# Allegro board SDHCalFEB.brd (continued)
## Routing (per net, layer and track width the routed paths; a pad name or vN(x,y) marks a point on that pad's centre or on a via; arc(x,y) is an arc through that point) (continued)
GEM_OUT_D12: length 3.8
  TOP w0.127: R1448.2 R262.1 42.2,322.79 v2(42.2,323.67)
  GND1 w0.127: v3(42.2,322.94) v2(42.2,323.67)
  GND3 w0.127: v4(42.2,322.2) v3(42.2,322.94)
GEM_OUT_D15: length 4
  TOP w0.127: R1460.2 R265.1 40.73,312.21 v2(40.73,312.2)
  GND1 w0.127: v3(41.46,312.2) v2(40.73,312.2)
  GND3 w0.127: v4(42.2,312.2) v3(41.46,312.2)
GEM_OUT_D18: length 26.8
  TOP w0.127: R268.1 v2(32.89,323.39) R1456.2
  GND1 w0.127: v2(32.89,323.39) v3(32.89,322.66)
  SIG3 w0.127: v3(52.2,312.94) 42.61,312.94 v3(32.89,322.66)
  GND3 w0.127: v4(52.2,312.2) v3(52.2,312.94)
GEM_OUT_D21: length 39.8
  TOP w0.127: R271.1 v2(30.3,324.54) R1454.2
  GND1 w0.127: v2(30.3,324.54) v3(30.3,323.8)
  SIG3 w0.127: v3(30.3,323.8) 45.54,323.8 56.41,312.93 v3(62.12,312.93)
  GND3 w0.127: v4(62.2,312.2) 62.2,312.6 62.15,312.65 62.15,312.9 v3(62.12,312.93)
GEM_OUT_D22: length 55.4
  TOP w0.127: R1424.2 v2(24.77,323.06) R272.1
  GND1 w0.127: v2(24.77,323.06) v3(24.77,322.33)
  SIG3 w0.127: v3(72.2,311.46) 35.63,311.46 v3(24.77,322.33)
  GND3 w0.127: v4(72.2,312.2) v3(72.2,311.46)
GEM_OUT_D23: length 4
  TOP w0.127: R273.1 82.19,313.69 v2(82.2,313.67) 82.64,313.67 82.65,313.66 R1421.2
  GND1 w0.127: v3(82.2,312.94) v2(82.2,313.67)
  GND3 w0.127: v4(82.2,312.2) v3(82.2,312.94)
GEM_OUT_D24: length 3.9
  TOP w0.127: R1420.2 90.73,312.65 90.73,312.64 v2(90.73,312.2) 90.72,312.19 R274.1
  GND1 w0.127: v3(91.46,312.2) v2(90.73,312.2)
  GND3 w0.127: v4(92.2,312.2) v3(91.46,312.2)
GEM_OUT_D25: length 1.5
  TOP w0.127: R1643.1 21.94,321.81 R275.1
GEM_OUT_D26: length 21.1
  TOP w0.127: R1484.2 v2(24.71,306.2) R276.1
  GND1 w0.127: v3(25.45,306.2) v2(24.71,306.2)
  SIG3 w0.127: v3(41.46,302.2) 29.45,302.2 v3(25.45,306.2)
  GND3 w0.127: v4(42.2,302.2) v3(41.46,302.2)
GEM_OUT_D27: length 32.2
  TOP w0.127: R277.1 v2(94.69,315.38) 95.14,315.38 95.15,315.37 R1472.2
  GND1 w0.127: v3(94.69,314.65) v2(94.69,315.38)
  SIG3 w0.127: v3(71.46,302.2) 72.48,302.2 76.89,306.6 87.15,306.6 94.69,314.15 v3(94.69,314.65)
  GND3 w0.127: v4(72.2,302.2) v3(71.46,302.2)
GEM_OUT_D28: length 3.9
  TOP w0.127: R1468.2 82.65,300.74 82.64,300.73 v2(82.2,300.73) 82.19,300.73 R278.1
  GND1 w0.127: v3(82.2,301.46) v2(82.2,300.73)
  GND3 w0.127: v4(82.2,302.2) v3(82.2,301.46)
GEM_OUT_D29: length 3.9
  TOP w0.127: R1464.2 92.65,300.74 92.64,300.73 v2(92.2,300.73) 92.2,300.73 R279.1
  GND1 w0.127: v3(92.2,301.46) v2(92.2,300.73)
  GND3 w0.127: v4(92.2,302.2) v3(92.2,301.46)
GEM_OUT_D31: length 30.1
  TOP w0.127: R1480.2 v2(25.48,298.83) R281.1
  GND1 w0.127: v2(25.48,298.83) v3(26.21,298.83)
  SIG3 w0.127: v3(26.21,298.83) 39.85,298.83 43.22,302.2 v3(51.46,302.2)
  GND3 w0.127: v4(52.2,302.2) v3(51.46,302.2)
GEM_OUT_D34: length 20.4
  TOP w0.127: R1508.2 25.47,296.24 v2(25.48,296.24) R284.1
  GND1 w0.127: v3(26.21,296.24) v2(25.48,296.24)
  SIG3 w0.127: v3(41.46,292.2) 30.25,292.2 v3(26.21,296.24)
  GND3 w0.127: v4(42.2,292.2) v3(41.46,292.2)
GEM_OUT_D36: length 40.4
  TOP w0.127: R1504.2 20.77,276.25 v2(20.78,276.25) R286.1
  GND1 w0.127: v3(20.78,276.99) v2(20.78,276.25)
  SIG3 w0.127: v3(20.78,276.99) 34.82,291.03 50.3,291.03 v3(51.46,292.2)
  GND3 w0.127: v4(52.2,292.2) v3(51.46,292.2)
GEM_OUT_D37: length 3.5
  TOP w0.127: R287.1 92.2,294.12 92.2,294.12 v2(92.2,293.67) 92.2,292.69 R1488.2
  GND1 w0.127: v3(92.2,292.94) v2(92.2,293.67)
  GND3 w0.127: v4(92.2,292.2) v3(92.2,292.94)
GEM_OUT_D38: length 3.5
  TOP w0.127: R288.1 82.19,293.68 v2(82.2,293.67) 82.19,293.66 R1492.2
  GND1 w0.127: v3(82.2,292.94) v2(82.2,293.67)
  GND3 w0.127: v4(82.2,292.2) v3(82.2,292.94)
GEM_OUT_D39: length 18
  TOP w0.127: R1496.2 85.67,291.96 85.67,291.96 v2(85.67,292.4) R289.1
  GND1 w0.127: v3(84.94,292.4) v2(85.67,292.4)
  SIG3 w0.127: v3(71.46,292.2) 72,291.67 84.2,291.67 v3(84.94,292.4)
  GND3 w0.127: v4(72.2,292.2) v3(71.46,292.2)
GEM_OUT_D40: length 47.9
  TOP w0.127: R1500.2 23.54,276.45 v2(23.55,276.45) R290.1
  GND1 w0.127: v2(23.55,276.45) v3(23.55,277.19)
  SIG3 w0.127: v3(62.2,291.46) 60.5,289.76 36.12,289.76 v3(23.55,277.19)
  GND3 w0.127: v4(62.2,292.2) v3(62.2,291.46)
GEM_OUT_D42: length 28.1
  TOP w0.127: R1528.2 29.56,274.9 v2(29.57,274.9) R292.1
  GND1 w0.127: v3(29.57,275.64) v2(29.57,274.9)
  SIG3 w0.127: v3(29.57,275.64) 36.12,282.2 v3(51.46,282.2)
  GND3 w0.127: v4(52.2,282.2) v3(51.46,282.2)
GEM_OUT_D45: length 35.4
  TOP w0.127: R1524.2 32.28,275.99 v2(32.28,276) R295.1
  GND1 w0.127: v3(32.28,276.73) v2(32.28,276)
  SIG3 w0.127: v3(32.28,276.73) 57.56,276.73 v3(62.2,281.38)
  GND3 w0.127: v4(62.2,282.2) v3(62.2,281.38)
GEM_OUT_D47: length 3.4
  TOP w0.127: R1512.2 92.22,283.66 v2(92.2,283.67) 92.2,283.68 R297.1
  GND1 w0.127: v3(92.2,282.94) v2(92.2,283.67)
  GND3 w0.127: v4(92.2,282.2) v3(92.2,282.94)
GEM_OUT_D48: length 3.4
  TOP w0.127: R298.1 83.68,282.19 v2(83.67,282.2) 83.67,282.2 R1516.2
  GND1 w0.127: v3(82.94,282.2) v2(83.67,282.2)
  GND3 w0.127: v4(82.2,282.2) v3(82.94,282.2)
GEM_OUT_D49: length 7.2
  TOP w0.127: R299.1 77.84,282.2 v2(76.89,282.2) 76.89,281.25 76.88,281.25 R1520.2
  GND1 w0.127: v3(76.15,282.2) v2(76.89,282.2)
  SIG3 w0.127: v3(76.15,282.2) v3(72.94,282.2)
  GND3 w0.127: v4(72.2,282.2) v3(72.94,282.2)
GEM_OUT_D50: length 3.5
  TOP w0.127: R1532.2 42.21,280.73 v2(42.2,280.73) 42.19,280.72 R300.1
  GND1 w0.127: v3(42.2,281.46) v2(42.2,280.73)
  GND3 w0.127: v4(42.2,282.2) v3(42.2,281.46)
GEM_OUT_D53: length 3.4
  TOP w0.127: R1556.2 42.2,271.68 v2(42.2,270.73) 42.2,269.73 R303.1
  GND1 w0.127: v3(42.2,271.46) v2(42.2,270.73)
  GND3 w0.127: v4(42.2,272.2) v3(42.2,271.46)
GEM_OUT_D54: length 3.5
  TOP w0.127: R1580.2 41.66,262.2 v2(40.73,262.2) 40.28,262.2 40.28,262.2 R304.1
  GND1 w0.127: v3(41.46,262.2) v2(40.73,262.2)
  GND3 w0.127: v4(42.2,262.2) v3(41.46,262.2)
GEM_OUT_D55: length 3.5
  TOP w0.127: R305.1 50.72,262.2 v2(50.73,262.2) 50.74,262.21 R1576.2
  GND1 w0.127: v3(51.46,262.2) v2(50.73,262.2)
  GND3 w0.127: v4(52.2,262.2) v3(51.46,262.2)
GEM_OUT_D56: length 4
  TOP w0.127: R1552.2 52.21,271.2 R306.1 50.72,272.2 v2(50.73,272.2)
  GND1 w0.127: v3(51.46,272.2) v2(50.73,272.2)
  GND3 w0.127: v4(52.2,272.2) v3(51.46,272.2)
GEM_OUT_D57: length 3.5
  TOP w0.127: R307.1 60.72,262.2 v2(60.73,262.2) 60.74,262.21 R1572.2
  GND1 w0.127: v3(61.46,262.2) v2(60.73,262.2)
  GND3 w0.127: v4(62.2,262.2) v3(61.46,262.2)
GEM_OUT_D58: length 3.5
  TOP w0.127: R308.1 70.72,262.2 v2(70.73,262.2) 70.74,262.21 R1568.2
  GND1 w0.127: v3(71.46,262.2) v2(70.73,262.2)
  GND3 w0.127: v4(72.2,262.2) v3(71.46,262.2)
GEM_OUT_D59: length 3.5
  TOP w0.127: R1564.2 80.74,262.21 v2(80.73,262.2) 80.28,262.2 80.28,262.2 R309.1
  GND1 w0.127: v3(81.46,262.2) v2(80.73,262.2)
  GND3 w0.127: v4(82.2,262.2) v3(81.46,262.2)
GEM_OUT_D60: length 3.5
  TOP w0.127: R1560.2 v2(90.73,262.2) 90.72,262.2 R310.1
  GND1 w0.127: v3(91.46,262.2) v2(90.73,262.2)
  GND3 w0.127: v4(92.2,262.2) v3(91.46,262.2)
GEM_OUT_D61: length 3.9
  TOP w0.127: R311.1 92.2,269.72 v2(92.2,270.73) 93.66,270.73 R1536.2
  GND1 w0.127: v3(92.2,271.46) v2(92.2,270.73)
  GND3 w0.127: v4(92.2,272.2) v3(92.2,271.46)
GEM_OUT_D62: length 4
  TOP w0.127: v2(82.2,270.73) 82.19,270.72 R312.1 83.69,269.72 R1540.2
  GND1 w0.127: v3(82.2,271.46) v2(82.2,270.73)
  GND3 w0.127: v4(82.2,272.2) v3(82.2,271.46)
GEM_OUT_D63: length 3.5
  TOP w0.127: R313.1 72.19,270.71 v2(72.2,270.73) 72.18,270.75 R1544.2
  GND1 w0.127: v3(72.2,271.46) v2(72.2,270.73)
  GND3 w0.127: v4(72.2,272.2) v3(72.2,271.46)
GEM_OUT_D64: length 3.4
  TOP w0.127: R314.1 60.74,272.21 v2(60.73,272.2) 60.05,272.87 60.05,272.89
  GND1 w0.127: v3(61.46,272.2) v2(60.73,272.2)
  GND3 w0.127: v4(62.2,272.2) v3(61.46,272.2)
GEM_OUT_E1: length 4.8
  TOP w0.127: R334.1 332.2,238.38 v2(332.2,240.73) 332.2,241.67 R1666.2
  GND1 w0.127: v3(332.2,241.46) v2(332.2,240.73)
  GND3 w0.127: v4(332.2,242.2) v3(332.2,241.46)
GEM_OUT_E2: length 3.5
  TOP w0.127: R1648.2 332.2,253.67 v2(332.2,253.67) 332.21,253.68 R335.1
  GND1 w0.127: v3(332.2,252.94) v2(332.2,253.67)
  GND3 w0.127: v4(332.2,252.2) v3(332.2,252.94)
GEM_OUT_E3: length 3.5
  TOP w0.127: R1668.2 322.19,243.66 v2(322.2,243.67) R336.1
  GND1 w0.127: v3(322.2,242.94) v2(322.2,243.67)
  GND3 w0.127: v4(322.2,242.2) v3(322.2,242.94)
GEM_OUT_E4: length 1.5
  TOP w0.127: R1904.1 R337.1
GEM_OUT_E5: length 3.5
  TOP w0.127: R338.1 312.19,243.68 v2(312.2,243.67) 312.21,243.67 R1700.2
  GND1 w0.127: v3(312.2,242.94) v2(312.2,243.67)
  GND3 w0.127: v4(312.2,242.2) v3(312.2,242.94)
GEM_OUT_E6: length 3.9
  TOP w0.127: R339.1 310.71,252.19 v2(310.73,252.2) 310.73,252.64 310.73,252.65 R1652.2
  GND1 w0.127: v3(311.46,252.2) v2(310.73,252.2)
  GND3 w0.127: v4(312.2,252.2) v3(311.46,252.2)
GEM_OUT_E7: length 3.5
  TOP w0.127: R1702.2 302.19,243.67 v2(302.2,243.67) 302.21,243.68 R340.1
  GND1 w0.127: v3(302.2,242.94) v2(302.2,243.67)
  GND3 w0.127: v4(302.2,242.2) v3(302.2,242.94)
GEM_OUT_E8: length 4
  TOP w0.127: R1654.2 300.73,252.64 v2(300.73,252.2) 300.71,252.21 R341.1
  GND1 w0.127: v3(301.46,252.2) v2(300.73,252.2)
  GND3 w0.127: v4(302.2,252.2) v3(301.46,252.2)
GEM_OUT_E9: length 3.5
  TOP w0.127: R1675.2 292.2,242.7 v2(292.2,243.67) 292.2,243.67 R342.1
  GND1 w0.127: v3(292.2,242.94) v2(292.2,243.67)
  GND3 w0.127: v4(292.2,242.2) v3(292.2,242.94)
GEM_OUT_E10: length 3.4
  TOP w0.127: R343.1 292.22,253.69 v2(292.2,253.67) 292.19,253.67 R1657.2
  GND1 w0.127: v3(292.2,252.94) v2(292.2,253.67)
  GND3 w0.127: v4(292.2,252.2) v3(292.2,252.94)
GEM_OUT_E11: length 3.5
  TOP w0.127: R344.1 282.2,253.68 v2(282.2,253.67) 282.2,252.69 R1711.2
  GND1 w0.127: v3(282.2,252.94) v2(282.2,253.67)
  GND3 w0.127: v4(282.2,252.2) v3(282.2,252.94)
GEM_OUT_E12: length 4
  TOP w0.127: R345.1 282.95,242.95 v2(282.94,242.94) 282.94,243.38 282.93,243.38 R1678.2
  GND1 w0.127: v3(282.2,242.94) v2(282.94,242.94)
  GND3 w0.127: v4(282.2,242.2) v3(282.2,242.94)
GEM_OUT_E13: length 4
  TOP w0.127: R1696.2 273.69,252.67 273.67,252.64 v2(273.67,252.2) 274.69,252.2 R346.1
  GND1 w0.127: v3(272.94,252.2) v2(273.67,252.2)
  GND3 w0.127: v4(272.2,252.2) v3(272.94,252.2)
GEM_OUT_E14: length 3.5
  TOP w0.127: R1697.2 262.21,250.74 v2(262.2,250.73) 262.21,250.71 R347.1
  GND1 w0.127: v3(262.2,251.46) v2(262.2,250.73)
  GND3 w0.127: v4(262.2,252.2) v3(262.2,251.46)
GEM_OUT_E15: length 4
  TOP w0.127: R1729.2 282.68,232.82 282.67,232.8 R348.1 283.67,232.21 v2(283.67,232.2)
  GND1 w0.127: v3(282.94,232.2) v2(283.67,232.2)
  GND3 w0.127: v4(282.2,232.2) v3(282.94,232.2)
GEM_OUT_E16: length 3.5
  TOP w0.127: R349.1 273.68,242.21 v2(273.67,242.2) 273.67,242.19 R1680.2
  GND1 w0.127: v3(272.94,242.2) v2(273.67,242.2)
  GND3 w0.127: v4(272.2,242.2) v3(272.94,242.2)
GEM_OUT_E17: length 3.5
  TOP w0.127: R1682.2 262.68,242.2 v2(263.67,242.2) 264.66,242.2 R350.1
  GND1 w0.127: v2(263.67,242.2) v3(262.94,242.2)
  GND3 w0.127: v4(262.2,242.2) v3(262.94,242.2)
GEM_OUT_E18: length 39.1
  TOP w0.127: R1725.2 257.59,239.5 v2(258.55,239.5) R351.1
  GND1 w0.127: v2(258.55,239.5) v3(259.28,239.5)
  SIG3 w0.127: v3(292.2,233.09) 285.8,239.5 v3(259.28,239.5)
  GND3 w0.127: v4(292.2,232.2) v3(292.2,233.09)
GEM_OUT_E19: length 3.5
  TOP w0.127: R1733.2 273.68,232.19 v2(273.67,232.2) 273.23,232.2 273.22,232.21 R352.1
  GND1 w0.127: v3(272.94,232.2) v2(273.67,232.2)
  GND3 w0.127: v4(272.2,232.2) v3(272.94,232.2)
GEM_OUT_E20: length 3.5
  TOP w0.127: R1737.2 261.21,233.67 v2(262.2,233.67) 262.21,233.68 R353.1
  GND1 w0.127: v3(262.2,232.94) v2(262.2,233.67)
  GND3 w0.127: v4(262.2,232.2) v3(262.2,232.94)
GEM_OUT_E21: length 46.7
  TOP w0.127: R1721.2 258.68,231.44 v2(259.69,231.44) R354.1
  GND1 w0.127: v3(258.95,231.44) v2(259.69,231.44)
  SIG3 w0.127: v3(302.2,231.44) 302.19,231.44 v3(258.95,231.44)
  GND3 w0.127: v4(302.2,232.2) v3(302.2,231.44)
GEM_OUT_E22: length 10
  TOP w0.127: R1690.2 319.26,232.22 v2(320.24,232.22) R355.1
  GND1 w0.127: v2(320.24,232.22) v3(319.51,232.22)
  SIG3 w0.127: v3(312.94,232.2) 313.48,232.2 313.5,232.22 v3(319.51,232.22)
  GND3 w0.127: v4(312.2,232.2) v3(312.94,232.2)
GEM_OUT_E23: length 4.3
  TOP w0.127: v2(322.2,230.73) 323.52,230.73 R356.1 323.53,232.22 R1688.2
  GND1 w0.127: v3(322.2,231.46) v2(322.2,230.73)
  GND3 w0.127: v4(322.2,232.2) v3(322.2,231.46)
GEM_OUT_E24: length 3.5
  TOP w0.127: R1685.2 333.67,233.19 v2(333.67,232.2) 333.68,232.19 R357.1
  GND1 w0.127: v3(332.94,232.2) v2(333.67,232.2)
  GND3 w0.127: v4(332.2,232.2) v3(332.94,232.2)
GEM_OUT_E25: length 23
  TOP w0.127: R1757.2 272.33,224.81 v2(272.31,224.8) R358.1
  GND1 w0.127: v2(272.31,224.8) v3(272.83,224.28)
  SIG3 w0.127: v3(272.83,224.28) 280.01,224.28 282.09,222.2 v3(291.46,222.2)
  GND3 w0.127: v4(292.2,222.2) v3(291.46,222.2)
GEM_OUT_E26: length 11.6
  TOP w0.127: v2(273.95,220.27) R359.1 273.08,221.31 273.07,221.3 R1761.2
  GND1 w0.127: v2(273.95,220.27) v3(274.68,220.27)
  SIG3 w0.127: v3(274.68,220.27) 280.27,220.27 v3(281.68,221.68)
  GND3 w0.127: v4(282.2,222.2) v3(281.68,221.68)
GEM_OUT_E27: length 16.7
  TOP w0.127: R1749.2 324.62,225.68 v2(323.13,225.68) R360.1
  GND1 w0.127: v2(323.13,225.68) v3(323.13,224.94)
  SIG3 w0.127: v3(311.68,221.68) 312.36,221.68 314.05,223.37 321.56,223.37 v3(323.13,224.94)
  GND3 w0.127: v4(312.2,222.2) v3(311.68,221.68)
GEM_OUT_E28: length 3.5
  TOP w0.127: R361.1 323.94,222.94 v2(322.94,222.94) 322.93,222.94 R1745.2
  GND1 w0.127: v3(322.94,222.2) v2(322.94,222.94)
  GND3 w0.127: v4(322.2,222.2) v3(322.94,222.2)
GEM_OUT_E29: length 4
  TOP w0.127: R362.1 330.72,222.19 v2(330.73,222.2) 330.73,223.68 R1741.2
  GND1 w0.127: v3(331.46,222.2) v2(330.73,222.2)
  GND3 w0.127: v4(332.2,222.2) v3(331.46,222.2)
GEM_OUT_E30: length 3.4
  TOP w0.127: R1765.2 270.7,222.21 v2(270.69,222.2) 270.69,221.24 R363.1
  GND1 w0.127: v3(271.42,222.2) v2(270.69,222.2)
  GND3 w0.127: v3(271.42,222.2) v4(272.16,222.2)
GEM_OUT_E31: length 43.3
  TOP w0.127: R1753.2 261.95,225.94 261.96,225.92 R364.1 v2(263.55,225.92)
  GND1 w0.127: v2(263.55,225.92) v3(264.29,225.92)
  SIG3 w0.127: v3(264.29,225.92) 279.92,225.92 283.13,222.71 289.56,222.71 289.79,222.94 v3(302.2,222.94)
  GND3 w0.127: v4(302.2,222.2) v3(302.2,222.94)
GEM_OUT_E32: length 4
  TOP w0.127: R365.1 259.76,222.2 v2(260.73,222.2) 260.73,222.64 260.71,222.66 R1769.2
  GND1 w0.127: v3(261.46,222.2) v2(260.73,222.2)
  GND3 w0.127: v4(262.2,222.2) v3(261.46,222.2)
GEM_OUT_E33: length 6.2
  TOP w0.127: R1801.2 259.81,214.63 R366.1 v2(261.44,215.3)
  GND1 w0.127: v3(261.96,214.78) v2(261.44,215.3)
  SIG3 w0.127: v3(262.2,212.94) 262.2,214.54 v3(261.96,214.78)
  GND3 w0.127: v4(262.2,212.2) v3(262.2,212.94)
GEM_OUT_E34: length 36
  TOP w0.127: R1789.2 258.03,207.86 R367.1 v2(260.58,207.86)
  GND1 w0.127: v3(261.1,208.38) v2(260.58,207.86)
  SIG3 w0.127: v3(261.1,208.38) 261.1,208.45 263.88,211.23 290.49,211.23 v3(291.46,212.2)
  GND3 w0.127: v4(292.2,212.2) v3(291.46,212.2)
GEM_OUT_E35: length 7
  TOP w0.127: R368.1 268.66,212.19 268.67,212.2 v2(270.73,212.2) 270.74,212.21 R1797.2
  GND1 w0.127: v3(271.46,212.2) v2(270.73,212.2)
  GND3 w0.127: v4(272.2,212.2) v3(271.46,212.2)
GEM_OUT_E36: length 40.7
  TOP w0.127: R369.1 v2(265.16,207.98) 265.16,207.97 R1785.2
  GND1 w0.127: v2(265.16,207.98) v3(265.9,207.98)
  SIG3 w0.127: v3(301.46,212.2) 299.45,210.19 268.11,210.19 v3(265.9,207.98)
  GND3 w0.127: v4(302.2,212.2) v3(301.46,212.2)
GEM_OUT_E37: length 4
  TOP w0.127: v2(330.73,212.2) R370.1 328.23,212.2 R1773.2
  GND1 w0.127: v3(331.46,212.2) v2(330.73,212.2)
  GND3 w0.127: v4(332.2,212.2) v3(331.46,212.2)
GEM_OUT_E38: length 3.4
  TOP w0.127: R371.1 v2(322.2,213.67) 322.21,213.66 R1777.2
  GND1 w0.127: v3(322.2,212.94) v2(322.2,213.67)
  GND3 w0.127: v4(322.2,212.2) v3(322.2,212.94)
GEM_OUT_E39: length 20.2
  TOP w0.127: R1781.2 328.62,208.99 v2(327.63,208.99) R372.1
  GND1 w0.127: v3(326.9,208.99) v2(327.63,208.99)
  SIG3 w0.127: v3(311.46,212.2) 311.9,212.2 313.74,210.36 318.06,210.36 319.43,208.99 v3(326.9,208.99)
  GND3 w0.127: v4(312.2,212.2) v3(311.46,212.2)
GEM_OUT_E40: length 7.7
  TOP w0.127: v2(280.73,212.2) 278.11,209.58 R373.1 276.18,209.58 276.17,209.58 R1793.2
  GND1 w0.127: v3(281.46,212.2) v2(280.73,212.2)
  GND3 w0.127: v4(282.2,212.2) v3(281.46,212.2)
GEM_OUT_E41: length 4
  TOP w0.127: v2(260.73,202.2) 260.72,202.19 R374.1 258.23,202.19 R1833.2
  GND1 w0.127: v3(261.46,202.2) v2(260.73,202.2)
  GND3 w0.127: v4(262.2,202.2) v3(261.46,202.2)
GEM_OUT_E42: length 31.2
  TOP w0.127: v2(264.77,199.19) R375.1 265.75,197.7 R1821.2
  GND1 w0.127: v3(265.51,199.19) v2(264.77,199.19)
  SIG3 w0.127: v3(291.46,202.2) 272.48,202.2 269.47,199.19 v3(265.51,199.19)
  GND3 w0.127: v4(292.2,202.2) v3(291.46,202.2)
GEM_OUT_E43: length 3.5
  TOP w0.127: R1864.2 262.2,193.67 v2(262.2,193.67) 262.2,193.68 R376.1
  GND1 w0.127: v3(262.2,192.94) v2(262.2,193.67)
  GND3 w0.127: v4(262.2,192.2) v3(262.2,192.94)
GEM_OUT_E44: length 4
  TOP w0.127: R1829.2 R377.1 269.75,202.2 v2(270.73,202.2)
  GND1 w0.127: v3(271.46,202.2) v2(270.73,202.2)
  GND3 w0.127: v4(272.2,202.2) v3(271.46,202.2)
GEM_OUT_E45: length 35
  TOP w0.127: R1817.2 270.56,198.93 v2(270.54,198.96) R378.1
  GND1 w0.127: v2(270.54,198.96) v3(271.27,198.96)
  SIG3 w0.127: v3(301.46,202.2) 298.22,198.96 v3(271.27,198.96)
  GND3 w0.127: v4(302.2,202.2) v3(301.46,202.2)
GEM_OUT_E46: length 4
  TOP w0.127: R379.1 270.73,192.2 v2(270.73,192.2) 270.74,192.19 R1860.2
  GND1 w0.127: v3(271.46,192.2) v2(270.73,192.2)
  GND3 w0.127: v4(272.2,192.2) v3(271.46,192.2)
GEM_OUT_E47: length 3.5
  TOP w0.127: R1805.2 332.2,202.7 v2(332.2,203.67) 332.2,204.68 R380.1
  GND1 w0.127: v3(332.2,202.94) v2(332.2,203.67)
  GND3 w0.127: v4(332.2,202.2) v3(332.2,202.94)
GEM_OUT_E48: length 4
  TOP w0.127: v2(323.67,202.2) 324.67,202.2 R381.1 324.69,202.2 R1809.2
  GND1 w0.127: v3(322.94,202.2) v2(323.67,202.2)
  GND3 w0.127: v4(322.2,202.2) v3(322.94,202.2)
GEM_OUT_E49: length 9
  TOP w0.127: R382.1 319.64,202.2 v2(318.67,202.2) R1813.2
  GND1 w0.127: v3(317.93,202.2) v2(318.67,202.2)
  SIG3 w0.127: v3(312.84,202.2) v3(317.93,202.2)
  GND3 w0.127: v4(312.2,202.2) v3(312.84,202.2)
GEM_OUT_E50: length 3.5
  TOP w0.127: R1825.2 282.2,201.73 v2(282.2,200.73) 282.2,199.74 R383.1
  GND1 w0.127: v3(282.2,201.46) v2(282.2,200.73)
  GND3 w0.127: v4(282.2,202.2) v3(282.2,201.46)
GEM_OUT_E51: length 3.5
  TOP w0.127: R1896.2 262.2,182.71 v2(262.2,183.67) 262.2,184.71 R384.1
  GND1 w0.127: v3(262.2,182.94) v2(262.2,183.67)
  GND3 w0.127: v4(262.2,182.2) v3(262.2,182.94)
GEM_OUT_E52: length 4
  TOP w0.127: R1892.2 269.23,182.2 v2(270.73,182.2) 270.71,182.21 R385.1
  GND1 w0.127: v3(271.46,182.2) v2(270.73,182.2)
  GND3 w0.127: v4(272.2,182.2) v3(271.46,182.2)
GEM_OUT_E53: length 4
  TOP w0.127: v2(282.2,190.73) 282.2,189.73 R386.1 280.7,189.72 R1856.2
  GND1 w0.127: v3(282.2,191.46) v2(282.2,190.73)
  GND3 w0.127: v4(282.2,192.2) v3(282.2,191.46)
GEM_OUT_E54: length 3.5
  TOP w0.127: R387.1 279.73,182.2 v2(280.73,182.2) 281.73,182.2 R1888.2
  GND1 w0.127: v3(281.46,182.2) v2(280.73,182.2)
  GND3 w0.127: v4(282.2,182.2) v3(281.46,182.2)
GEM_OUT_E55: length 3.5
  TOP w0.127: R1884.2 291.71,182.2 v2(290.73,182.2) 289.72,182.2 R388.1
  GND1 w0.127: v3(291.46,182.2) v2(290.73,182.2)
  GND3 w0.127: v4(292.2,182.2) v3(291.46,182.2)
GEM_OUT_E56: length 4
  TOP w0.127: v2(290.73,192.2) 290.73,193.18 R389.1 R1852.2
  GND1 w0.127: v3(291.46,192.2) v2(290.73,192.2)
  GND3 w0.127: v4(292.2,192.2) v3(291.46,192.2)
GEM_OUT_E57: length 3.9
  TOP w0.127: R1880.2 300.73,180.74 v2(300.73,182.2) 299.76,182.2 R390.1
  GND1 w0.127: v3(301.46,182.2) v2(300.73,182.2)
  GND3 w0.127: v4(302.2,182.2) v3(301.46,182.2)
GEM_OUT_E58: length 3.5
  TOP w0.127: R1876.2 311.71,182.2 v2(310.73,182.2) 309.74,182.2 R391.1
  GND1 w0.127: v3(311.46,182.2) v2(310.73,182.2)
  GND3 w0.127: v4(312.2,182.2) v3(311.46,182.2)
GEM_OUT_E59: length 3.5
  TOP w0.127: R1872.2 321.72,182.2 v2(320.73,182.2) 319.75,182.2 R392.1
  GND1 w0.127: v3(321.46,182.2) v2(320.73,182.2)
  GND3 w0.127: v4(322.2,182.2) v3(321.46,182.2)
GEM_OUT_E60: length 3.5
  TOP w0.127: R393.1 329.75,182.2 v2(330.73,182.2) 331.7,182.2 R1868.2
  GND1 w0.127: v3(331.46,182.2) v2(330.73,182.2)
  GND3 w0.127: v4(332.2,182.2) v3(331.46,182.2)
GEM_OUT_E61: length 4
  TOP w0.127: 332.19,189.74 332.2,189.75 v2(332.2,190.73) ; 332.19,189.74 R394.1 ; 332.19,189.74 R1837.2
  GND1 w0.127: v3(332.2,191.46) v2(332.2,190.73)
  GND3 w0.127: v4(332.2,192.2) v3(332.2,191.46)
GEM_OUT_E62: length 3.5
  TOP w0.127: R395.1 v2(322.2,190.73) 322.2,191.72 R1841.2
  GND1 w0.127: v3(322.2,191.46) v2(322.2,190.73)
  GND3 w0.127: v4(322.2,192.2) v3(322.2,191.46)
GEM_OUT_E63: length 3.5
  TOP w0.127: R396.1 312.2,189.75 v2(312.2,190.73) 312.2,191.68 R1844.2
  GND1 w0.127: v3(312.2,191.46) v2(312.2,190.73)
  GND3 w0.127: v4(312.2,192.2) v3(312.2,191.46)
GEM_OUT_E64: length 3.5
  TOP w0.127: R397.1 300.67,192.21 v2(300.66,192.2) 299.96,192.9 R1848.2
  GND1 w0.127: v3(301.4,192.2) v2(300.66,192.2)
  GND3 w0.127: v4(302.2,192.2) v3(301.4,192.2)
GEM_OUT_F1: length 5
  TOP w0.127: R418.1 252.2,238.16 v2(252.2,240.73) 253.19,240.73 R1699.2
  GND1 w0.127: v3(252.2,241.46) v2(252.2,240.73)
  GND3 w0.127: v4(252.2,242.2) v3(252.2,241.46)
GEM_OUT_F2: length 3.4
  TOP w0.127: R1650.2 252.19,253.66 v2(252.2,253.67) 252.19,253.69 R419.1
  GND1 w0.127: v3(252.2,252.94) v2(252.2,253.67)
  GND3 w0.127: v4(252.2,252.2) v3(252.2,252.94)
GEM_OUT_F3: length 3.4
  TOP w0.127: R1701.2 242.2,243.67 v2(242.2,243.67) 242.19,243.68 R420.1
  GND1 w0.127: v3(242.2,242.94) v2(242.2,243.67)
  GND3 w0.127: v4(242.2,242.2) v3(242.2,242.94)
GEM_OUT_F4: length 1.5
  TOP w0.127: R1905.1 R421.1
GEM_OUT_F5: length 3.5
  TOP w0.127: R422.1 232.21,243.68 v2(232.2,243.67) 232.19,243.66 R1673.2
  GND1 w0.127: v3(232.2,242.94) v2(232.2,243.67)
  GND3 w0.127: v4(232.2,242.2) v3(232.2,242.94)
GEM_OUT_F6: length 4
  TOP w0.127: R1655.2 230.73,253.67 v2(230.73,252.2) 230.71,252.19 R423.1
  GND1 w0.127: v3(231.46,252.2) v2(230.73,252.2)
  GND3 w0.127: v4(232.2,252.2) v3(231.46,252.2)
GEM_OUT_F7: length 3.4
  TOP w0.127: R424.1 v2(222.2,243.67) 222.21,243.66 R1676.2
  GND1 w0.127: v3(222.2,242.94) v2(222.2,243.67)
  GND3 w0.127: v4(222.2,242.2) v3(222.2,242.94)
GEM_OUT_F8: length 4
  TOP w0.127: R425.1 220.71,252.19 v2(220.73,252.2) 220.73,252.64 220.73,252.65 R1705.2
  GND1 w0.127: v3(221.46,252.2) v2(220.73,252.2)
  GND3 w0.127: v4(222.2,252.2) v3(221.46,252.2)
GEM_OUT_F9: length 3.5
  TOP w0.127: R1679.2 212.21,243.67 v2(212.2,243.67) 212.19,243.68 R426.1
  GND1 w0.127: v3(212.2,242.94) v2(212.2,243.67)
  GND3 w0.127: v4(212.2,242.2) v3(212.2,242.94)
GEM_OUT_F10: length 3.4
  TOP w0.127: R1695.2 212.2,252.71 v2(212.2,253.67) 212.18,253.69 R427.1
  GND1 w0.127: v3(212.2,252.94) v2(212.2,253.67)
  GND3 w0.127: v4(212.2,252.2) v3(212.2,252.94)
GEM_OUT_F11: length 3.5
  TOP w0.127: R428.1 202.19,253.68 v2(202.2,253.67) 202.2,252.69 R1661.2
  GND1 w0.127: v3(202.2,252.94) v2(202.2,253.67)
  GND3 w0.127: v4(202.2,252.2) v3(202.2,252.94)
GEM_OUT_F12: length 3.5
  TOP w0.127: R1716.2 v2(202.2,243.67) 202.21,243.68 R429.1
  GND1 w0.127: v3(202.2,242.94) v2(202.2,243.67)
  GND3 w0.127: v4(202.2,242.2) v3(202.2,242.94)
GEM_OUT_F13: length 4
  TOP w0.127: R430.1 194.65,252.2 v2(193.67,252.2) 193.67,253.66 R1664.2
  GND1 w0.127: v3(192.94,252.2) v2(193.67,252.2)
  GND3 w0.127: v4(192.2,252.2) v3(192.94,252.2)
GEM_OUT_F14: length 3.5
  TOP w0.127: R431.1 182.2,249.71 v2(182.2,250.73) 182.2,250.73 R1667.2
  GND1 w0.127: v3(182.2,251.46) v2(182.2,250.73)
  GND3 w0.127: v4(182.2,252.2) v3(182.2,251.46)
GEM_OUT_F15: length 4
  TOP w0.127: v2(203.67,232.2) 203.67,232.21 R432.1 202.68,232.8 202.67,232.82 R1734.2
  GND1 w0.127: v3(202.94,232.2) v2(203.67,232.2)
  GND3 w0.127: v4(202.2,232.2) v3(202.94,232.2)
GEM_OUT_F16: length 3.5
  TOP w0.127: R1707.2 192.7,242.2 v2(193.67,242.2) 193.68,242.21 R433.1
  GND1 w0.127: v3(192.94,242.2) v2(193.67,242.2)
  GND3 w0.127: v4(192.2,242.2) v3(192.94,242.2)
GEM_OUT_F17: length 3.5
  TOP w0.127: R434.1 183.69,242.21 v2(183.67,242.2) 183.67,242.19 R1708.2
  GND1 w0.127: v3(182.94,242.2) v2(183.67,242.2)
  GND3 w0.127: v4(182.2,242.2) v3(182.94,242.2)
GEM_OUT_F18: length 39
  TOP w0.127: R435.1 v2(178.66,239.62) 177.71,239.62 R1730.2
  GND1 w0.127: v2(178.66,239.62) v3(179.4,239.62)
  SIG3 w0.127: v3(212.2,233.01) 205.59,239.62 v3(179.4,239.62)
  GND3 w0.127: v4(212.2,232.2) v3(212.2,233.01)
GEM_OUT_F19: length 3.5
  TOP w0.127: R1738.2 193.69,232.22 v2(193.67,232.2) 193.67,232.21 R436.1
  GND1 w0.127: v3(192.94,232.2) v2(193.67,232.2)
  GND3 w0.127: v4(192.2,232.2) v3(192.94,232.2)
GEM_OUT_F20: length 3.5
  TOP w0.127: R1742.2 181.74,233.68 181.76,233.67 v2(182.2,233.67) 182.21,233.68 R437.1
  GND1 w0.127: v3(182.2,232.94) v2(182.2,233.67)
  GND3 w0.127: v4(182.2,232.2) v3(182.2,232.94)
GEM_OUT_F21: length 45.6
  TOP w0.127: R1726.2 179.59,231.53 v2(179.6,231.52) R438.1
  GND1 w0.127: v3(180.34,231.52) v2(179.6,231.52)
  SIG3 w0.127: v3(180.34,231.52) 180.89,231.52 181.33,231.08 211.57,231.08 211.96,231.46 v3(222.2,231.46)